# Altium PCB PCB1.PcbDoc (part 1 of 2)
Units mm, origin at the board's own origin, x right, y up, seen from the top; angles counter-clockwise.
Board outline 144.8 x 85 mm, 2 copper layers (Top Layer, Bottom Layer); 173 components, 129 nets, 564 pads, 369 vias.
Unrouted connection lines stored in the file: 2.
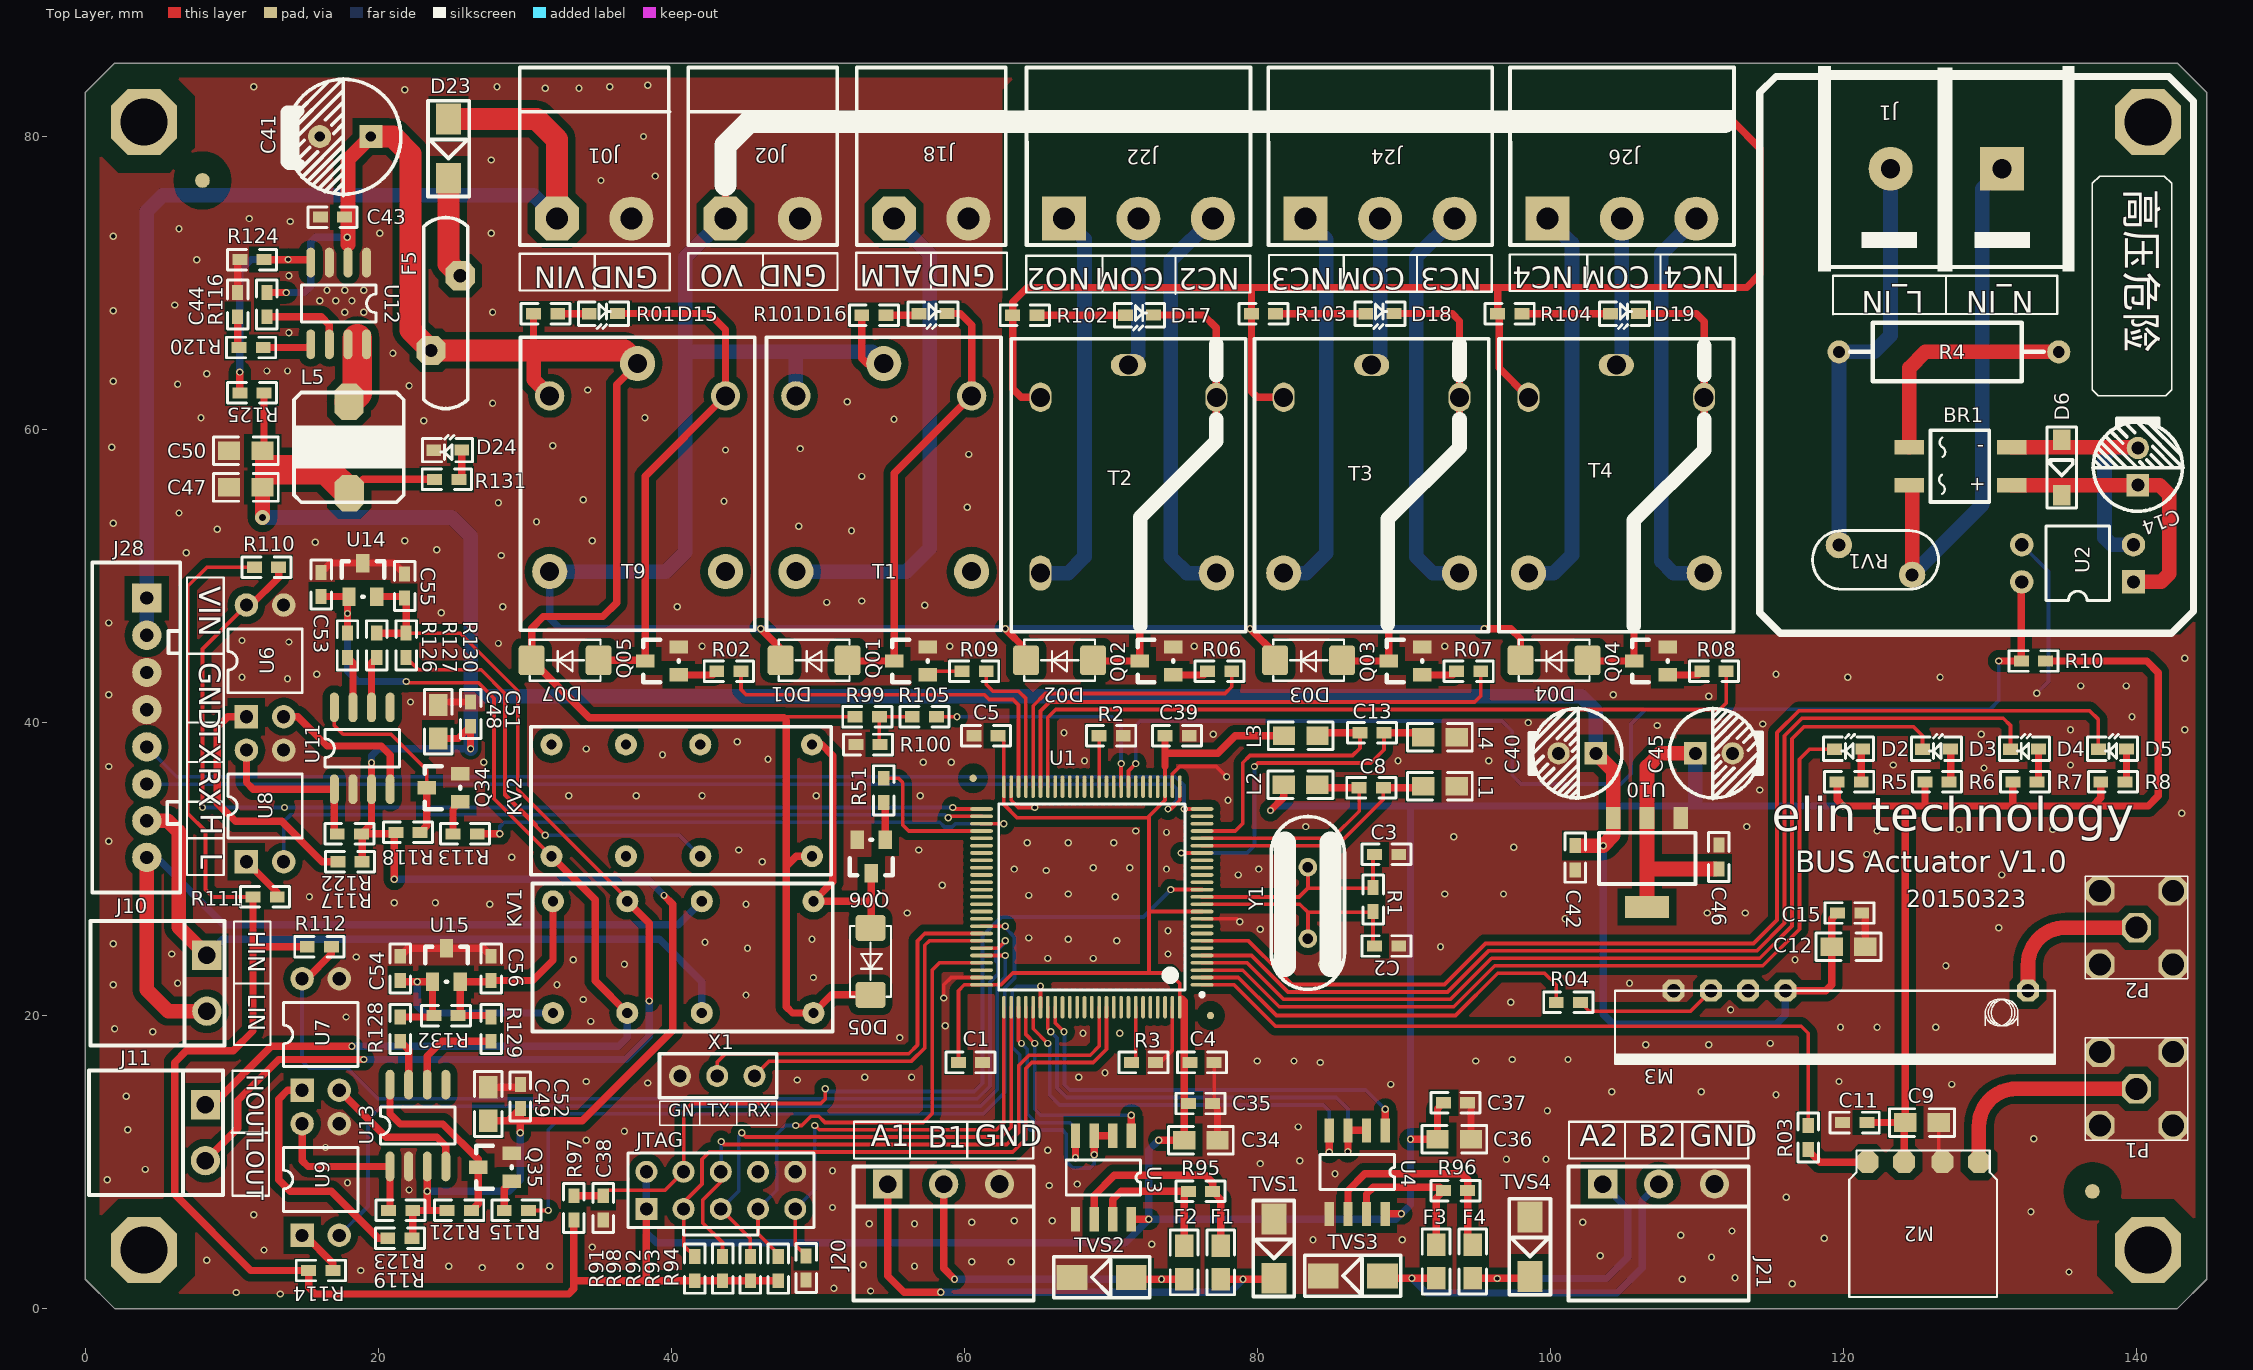
[diagram p0: Top Layer view]
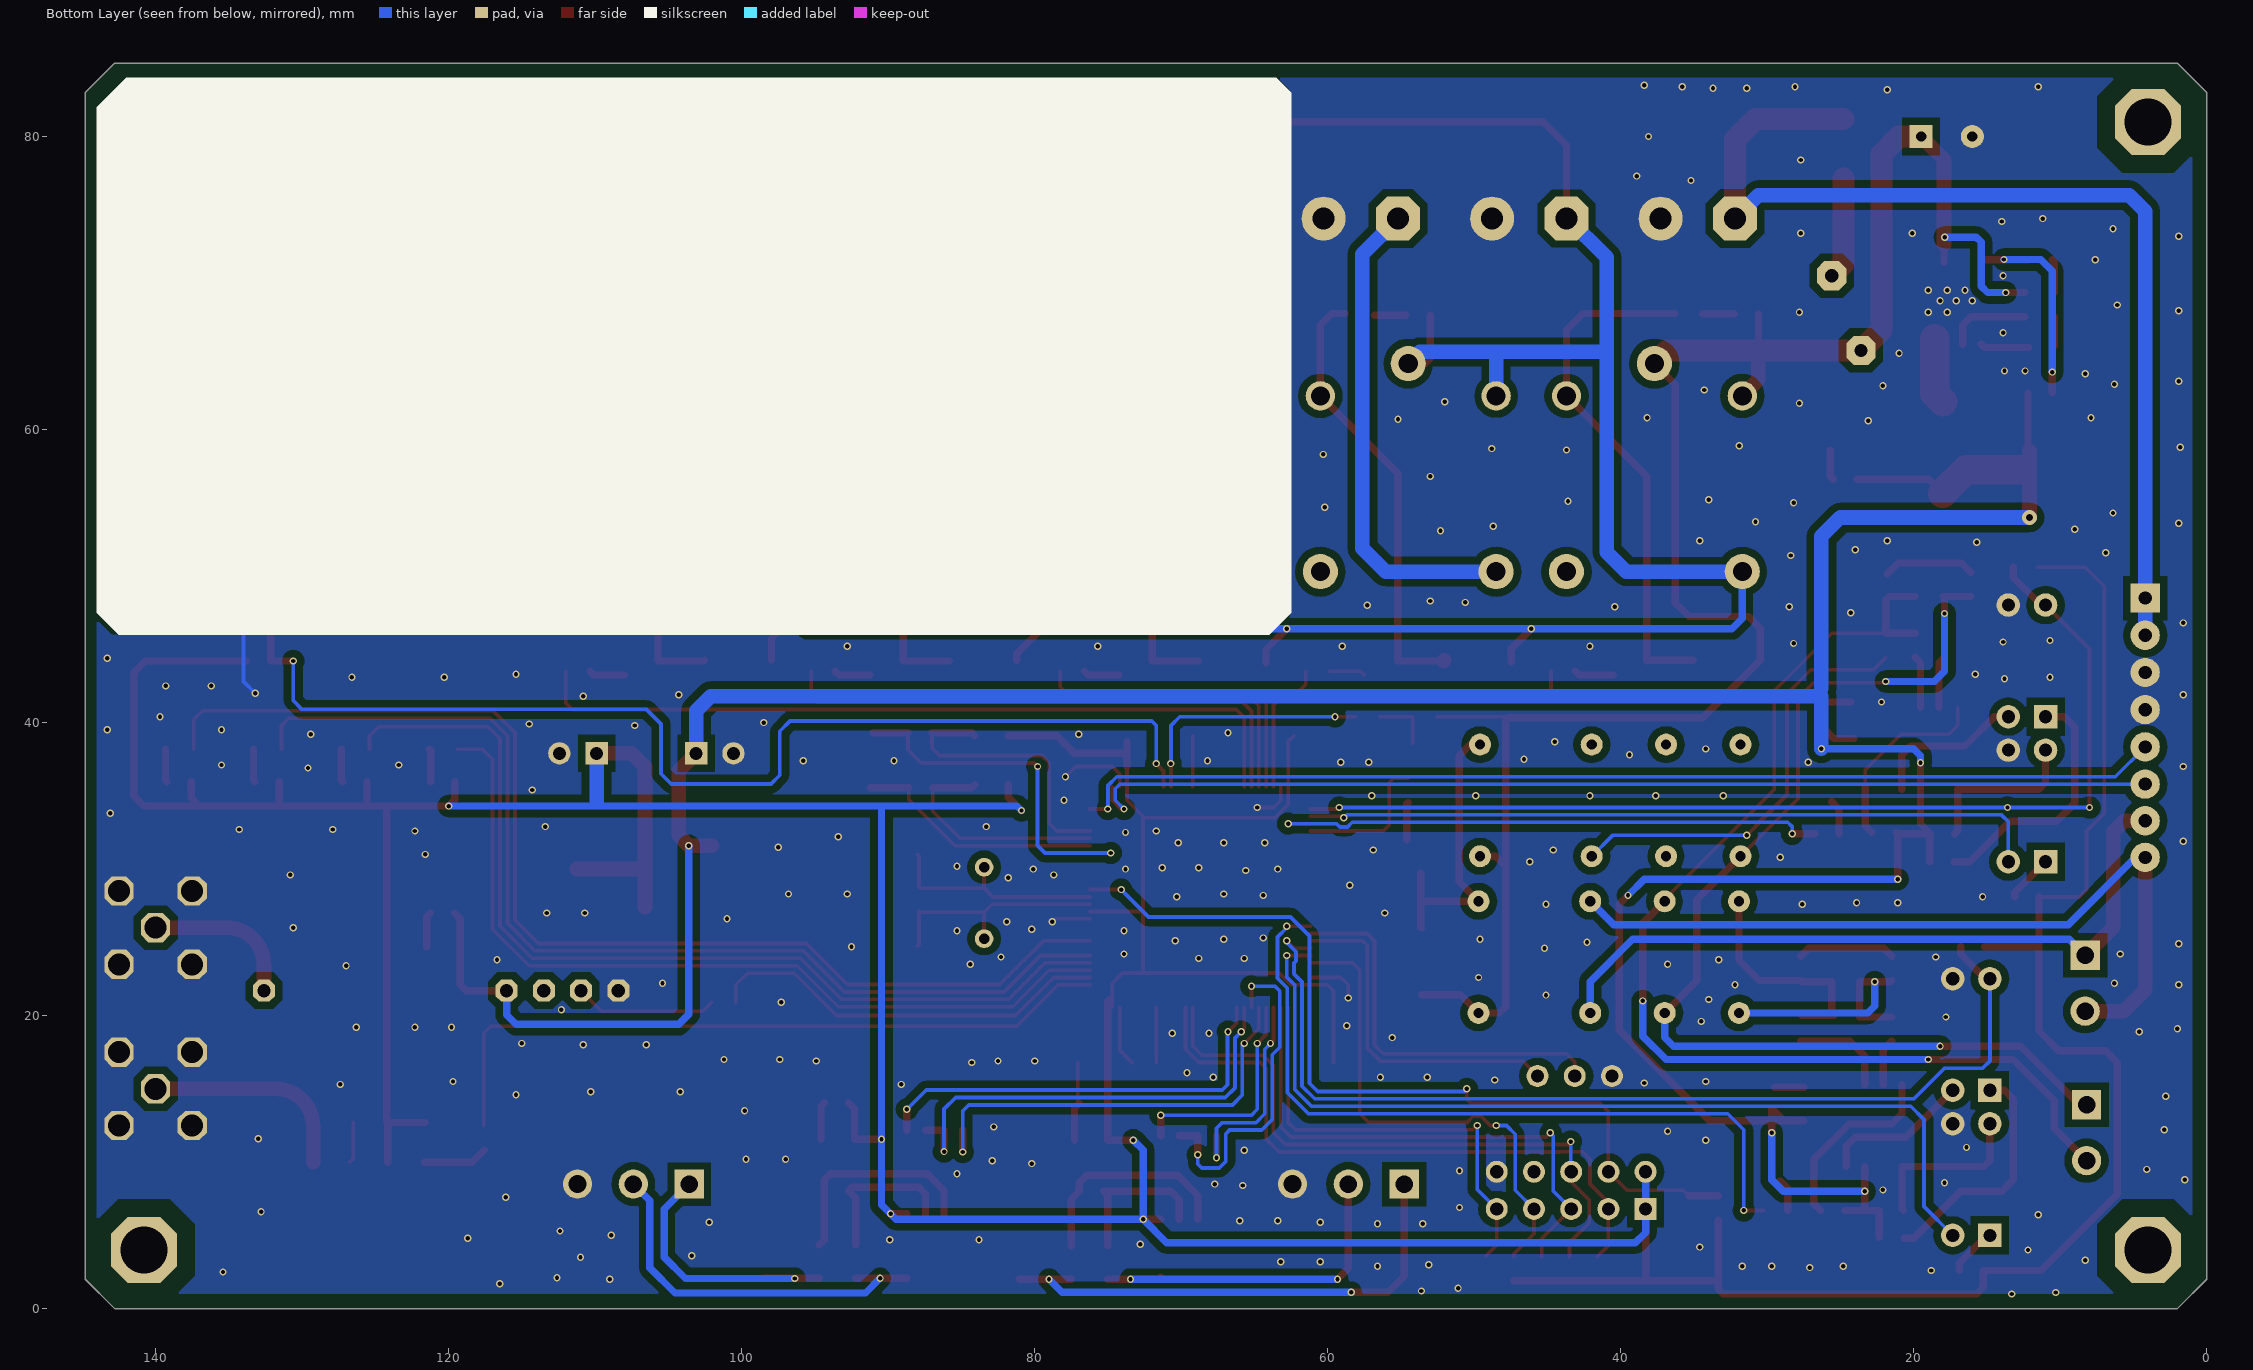
[diagram p1: Bottom Layer view, seen from below]

## Layer stack, top to bottom
Top Solder: solder mask 0.0102, Solder Resist, Dk 3.5
Top Layer: signal copper 0.0356
Dielectric 1: dielectric 0.32, FR-4, Dk 4.8
Bottom Layer: signal copper 0.0356
Bottom Solder: solder mask 0.0102, Solder Resist, Dk 3.5

## Board outline
2,0 0,2 0,83 2,85 142.8,85 144.8,83 144.8,2 142.8,0

## Design rules (kind name [scope] priority, off if disabled: settings)
Clearance [All] p1: gap=0.5
PolygonConnect [All] p1: connectstyle=Direct reliefconductorwidth=0.254 reliefentries=4 polygonreliefangle="90 Angle" airgapwidth=0.254
RoutingVias [All] p1: holewidth=0.711 width=1.27 viastyle="Through Hole" minholewidth=0.711 minwidth=1.27 maxholewidth=0.711 maxwidth=1.27
SolderMaskExpansion [All] p1: expansion=0.102
Width [All] p1: maxlimit=5 minlimit=0.254 preferedwidth=0.254
29 further rules are at their usual default settings.

## Classes and differential pairs
component class WIRELESS: C9 C11 C12 C15 M2 M3 P1 P2 R03 R04
component class POWER: BR1 C14 C40 C41 C42 C43 C44 C45 C46 C47 C50 D6 D23 D24 F5 J01 J1 J02 L5 R4 R10 R99 R100 R105 R116 R120 R124 R125 R131 RV1 U2 U10 U12
component class OUTPUT: D01 D02 D03 D04 D07 D15 D16 D17 D18 D19 J18 J22 J24 J26 Q01 Q02 Q03 Q04 Q05 R01 R02 R06 R07 R08 R09 R101 R102 R103 R104 T1 T2 T3 T4 T9
component class OTHER: C38 C39 D2 D3 D4 D5 JTAG R5 R6 R7 R8 R91 R92 R93 R94 R97 R98 X1
component class CPU: C1 C2 C3 C4 C5 C8 C13 L1 L2 L3 L4 R1 R2 R3 U1 Y1
component class 485: C34 C35 C36 C37 F1 F2 F3 F4 J20 J21 R95 R96 TVS1 TVS2 TVS3 TVS4 U3 U4
component class CAN: C48 C49 C51 C52 C53 C54 C55 C56 D05 J10 J11 J28 KV1 KV2 Q06 Q34 Q35 R51 R110 R111 R112 R113 R114 R115 R117 R118 R119 R121 R122 R123 R126 R127 R128 R129 R130 R132 U6 U7 U8 U9 U11 U13 U14 U15

## Components (designator, comment, footprint, x,y, rotation, side; value= is the part's Value field where it differs from the comment)
BR1 "BRIDGE1" soic-4 124.5,58.8 r0 top locked
C1 "104" 0603 59.6,16.8 r0 top
C2 "18p" 0603 88,24.75 r0 top
C3 "18p" 0603 88,31 r0 top
C4 "104" 0603 75.4,16.8 r0 top
C5 "104" 0603 62.3,39.1 r180 top
C8 "104" 0603 88.6,35.55 r180 top
C9 "10uF/16V" 0805 126.5,12.7 r180 top
C11 "0.1uF" 0603 121.6,12.7 r180 top
C12 "10uF/16V" 0805 119.2,24.7 r0 top
C13 "104" 0603 87,39.3 r0 top
C14 "100uF/25V" RB2.54 140.1,56.2 r90 top locked
C15 "0.1uF" 0603 119.6,27 r0 top
C34 "10uF" 0805 75,11.5 r0 top
C35 "0.1uF" 0603 75.3,14 r0 top
C36 "10uF" 0805 92.3,11.55 r0 top
C37 "0.1uF" 0603 92.7,14.05 r0 top
C38 "104" 0603 35.35,6.05 r90 top
C39 "104" 0603 73.7,39.1 r0 top
C40 "100uF/25V" RB2.54 103.1,37.9 r180 top
C41 "470uF/25V" RB3.5 16,80 r0 top
C42 "0.1uF" 0603 101.7,31.6 r270 top
C43 "0.1uF" 0603 17.7,74.5 r180 top
C44 "1nF" 0603 10.4,67.7 r90 top
C45 "100uF/6.3V" RB2.54 109.9,37.9 r0 top
C46 "0.1uF" 0603 111.5,30 r90 top
C47 "10uF/16V" 0805 12.1,56.05 r180 top
C48 "10uF" 0805 24.1,41.2 r270 top
C49 "10uF" 0805 27.5,15.1 r270 top
C50 "10uF/16V" 0805 12.1,58.55 r180 top
C51 "0.1uF" 0603 26.3,41.4 r270 top
C52 "0.1uF" 0603 29.7,15.3 r270 top
C53 "470pF" 0603 16.1,48.6 r90 top
C54 "470pF" 0603 21.5,22.4 r90 top
C55 "470pF" 0603 21.8,48.5 r90 top
C56 "470pF" 0603 27.7,22.4 r90 top
D01 "1N4007" DO-214AC(SMA) 49.75,44.25 r180 top
D02 "1N4007" DO-214AC(SMA) 66.5,44.25 r180 top
D2 "LED-R" LED-0603 121.32,38.2 r180 top
D03 "1N4007" DO-214AC(SMA) 83.5,44.25 r180 top
D3 "LED-R" LED-0603 127.32,38.2 r180 top
D04 "1N4007" DO-214AC(SMA) 100.25,44.25 r180 top
D4 "LED-R" LED-0603 133.32,38.2 r180 top
D05 "1N4007" DO-214AC(SMA) 53.6,23.7 r270 top
D5 "LED-R" LED-0603 139.32,38.2 r180 top
D6 "12V" SOD-123A 134.9,59.3 r270 top locked
D07 "1N4007" DO-214AC(SMA) 32.75,44.25 r180 top
D15 "LED-R" LED-0603 34.4,67.9 r0 top
D16 "LED-R" LED-0603 56.9,67.9 r0 top
D17 "LED-R" LED-0603 71,67.8 r0 top
D18 "LED-R" LED-0603 87.4,67.9 r0 top
D19 "LED-R" LED-0603 104.1,67.9 r0 top
D23 "SS34" SMB 24.8,81.2 r270 top
D24 "LED-R" LED-0603 25.7,58.6 r180 top
F1 "FUSE2" 0805 77.5,4.3 r270 top
F2 "FUSE2" 0805 75,4.3 r270 top
F3 "FUSE2" 0805 92.2,4.35 r270 top
F4 "FUSE2" 0805 94.7,4.35 r270 top
F5 "FUSE2" "FUSE RL60-110" 25.6,70.5 r90 top
J1 "7.62-2P" 7.62-2P 130.84,77.8 r180 top locked
J01 "7.62-2P" 5.08-2P 32.2,74.4 r180 top locked
J02 "7.62-2P" 5.08-2P 43.7,74.4 r180 top locked
J10 "3.81-2P" 3.81-2P 8.3,20.3 r270 top
J11 "3.81-2P" 3.81-2P 8.2,10.1 r270 top
J18 "7.62-2P" 5.08-2P 55.2,74.4 r180 top locked
J20 "2EDGR-3.81-3P" 3.81-3P 62.4,8.5 r0 top
J21 "2EDGR-3.81-3P" 3.81-3P 111.2,8.5 r0 top
J22 "2EDGR-5.08-3P" 5.08-3P 66.8,74.4 r180 top locked
J24 "2EDGR-5.08-3P" 5.08-3P 83.3,74.4 r180 top locked
J26 "2EDGR-5.08-3P" 5.08-3P 99.8,74.4 r180 top locked
J28 "SIP8-2.54" 2.54-8 4.2,48.5 r270 top
JTAG "JTAG_10" JTAG_10 38.3,6.8 r0 top
KV1 "OMRON" KV 49.5,28 r180 top
KV2 "OMRON" KV 49.4,38.7 r180 top
L1 "100R" 0805 93.6,35.65 r180 top
L2 "100R" 0805 81.8,35.75 r0 top
L3 "100R" 0805 84.1,39.1 r180 top
L4 "100R" 0805 93.6,39 r180 top
L5 "4.7uH" "INDUCTOR 7*7" 18,61.9 r90 top
M2 "H34A" H34A 129.25,10 r180 top
M3 "315MHZ" 315MHZ 134.4,21.7 r180 top
P1 "COAX-M" ST-TH1 136.5,11.5 r0 top
P2 "COAX-M" ST-TH1 136.5,22.5 r0 top
Q01 "8050" SOT-23 57.5,43.25 r90 top
Q02 "8050" SOT-23 74.25,43.25 r90 top
Q03 "8050" SOT-23 91.25,43.25 r90 top
Q04 "8050" SOT-23 108,43.25 r90 top
Q05 "8050" SOT-23 40.5,43.25 r90 top
Q06 "8050" SOT-23 54.6,32 r180 top
Q34 "3904" SOT-23 25.6,34.6 r90 top
Q35 "3904" SOT-23 29.1,8.7 r90 top
R01 "10K" 0603 30.6,67.9 r0 top
R1 "1M" 0603 87.9,27.1 r90 top
R02 "1K" 0603 44.75,43.5 r180 top
R2 "10K" 0603 69.2,39.1 r0 top
R03 "1K" 0603 117.6,12.5 r270 top
R3 "10K" 0603 71.4,16.8 r0 top
R04 "1K" 0603 100.4,20.9 r0 top
R4 "100K" AXIAL0.6 134.7,65.3 r180 top
R5 "1K" 0603 119.57,35.95 r0 top
R06 "1K" 0603 78.25,43.5 r180 top
R6 "1K" 0603 125.57,35.95 r0 top
R07 "1K" 0603 95.25,43.5 r180 top
R7 "1K" 0603 131.57,35.95 r0 top
R8 "1K" 0603 137.57,35.95 r0 top
R08 "1K" 0603 112,43.5 r180 top
R09 "1K" 0603 61.5,43.5 r180 top
R10 "1K" 0603 133.8,44.2 r180 top
R51 "1K" 0603 54.5,36.2 r270 top
R91 "10K" 0603 41.6,1.9 r90 top
R92 "10K" 0603 45.4,1.9 r90 top
R93 "10K" 0603 47.3,1.9 r90 top
R94 "10K" 0603 49.2,3.6 r270 top
R95 "120R" 0603 75.3,8 r0 top
R96 "120R" 0603 92.7,8.05 r0 top
R97 "10K" 0603 33.35,7.7 r270 top
R98 "10K" 0603 43.5,1.9 r90 top
R99 "47K" 0603 54.2,40.4 r180 top
R100 "10K" 0603 52.6,38.5 r0 top
R101 "10K" 0603 53,67.8 r0 top
R102 "10K" 0603 63.3,67.8 r0 top
R103 "10K" 0603 79.6,67.9 r0 top
R104 "10K" 0603 96.4,67.9 r0 top
R105 "10K" 0603 58.1,40.4 r180 top
R110 "1K" 0603 13.2,50.6 r180 top
R111 "201" 0603 13.1,28.1 r180 top
R112 "1K" 0603 16.8,24.7 r180 top
R113 "1K" 0603 25.1,32.4 r0 top
R114 "201" 0603 16.9,2.6 r180 top
R115 "1K" 0603 28.6,6.7 r0 top
R116 "10K" 0603 12.4,69.35 r270 top
R117 "201" 0603 18.9,30.5 r180 top
R118 "1K" 0603 21.2,32.5 r0 top
R119 "201" 0603 22.3,4.8 r180 top
R120 "20K" 0603 12.15,65.6 r180 top
R121 "1K" 0603 24.7,6.7 r0 top
R122 "1K" 0603 17.2,32.4 r0 top
R123 "1K" 0603 20.7,6.7 r0 top
R124 "10K" 0603 12.2,71.6 r180 top
R125 "56K" 0603 12.2,62.5 r180 top
R126 "10" 0603 17.9,46.1 r270 top
R127 "10" 0603 19.9,46.1 r270 top
R128 "10" 0603 21.5,19.9 r270 top
R129 "10" 0603 27.7,19.9 r270 top
R130 "120" 0603 21.9,46.1 r270 top
R131 "1K" 0603 25.5,56.6 r180 top
R132 "120" 0603 23.8,20 r0 top
RV1 "7D471K" 7D471 124.693,50.082 r180 top
T1 "JDQ" JDQ#1 54.5,64.5 r0 top locked
T2 "JDQ" JDQ#2 71.2,64.4 r0 top locked
T3 "JDQ" JDQ#3 87.8,64.4 r0 top locked
T4 "JDQ" JDQ#3 104.5,64.4 r0 top locked
T9 "JDQ" JDQ#1 37.7,64.5 r0 top locked
TVS1 "TVS" SMB 81.128,6.121 r270 top
TVS2 "TVS" SMB 71.399,2.134 r180 top
TVS3 "TVS" SMB 88.544,2.235 r180 top
TVS4 "TVS" SMB 98.603,6.248 r270 top
U1 "STM32F107VBT6" LQFP100_L 68.7,28.1 r180 top
U2 "PC817" DIP4 139.8,49.6 r180 top locked
U3 "SP3485" SOP-8 71.4,11.8 r270 top
U4 "SP3485" SOP-8 88.722,12.167 r270 top
U6 "TLP521-1" DIP4 11,40.4 r90 top
U7 "TLP521-1" DIP4 14.8,14.9 r90 top
U8 "TLP521-1" DIP4 11,30.5 r90 top
U9 "TLP521-1" DIP4 14.8,5 r90 top
U10 "LM1117" SOT-223 108.9,33.5 r180 top
U11 "TAJ1050" SO-8 17,35.45 r90 top
U12 "AOZ1016" SO-8 19.2,71.4 r270 top
U13 "TAJ1050" SO-8 20.8,9.7 r90 top
U14 "TVS_CAN" SOT-23 18,48.6 r0 top
U15 "TVS_CAN" SOT-23 23.7,22.3 r0 top
X1 "2.54-TX" 2.54-TX 47.2,17.4 r180 top
Y1 "8MHz" XTAL_US 83.45,25.25 r90 top

## Footprints (in the part's own frame and the unit in brackets; to place one, negate y for a bottom-side part, rotate by r counter-clockwise, add the part's x,y. Pads: shape width x height; smd on the part's side, far side on the other; paste and mask are expansions set on the pad)
2.54-8 [mm]
  rect 2x2 hole 0.9: 1(0,0)
  round 2 hole 0.9: 2(2.54,0) 3(5.08,0) 4(7.62,0) 5(10.16,0) 6(12.7,0) 7(15.2,0) 8(17.7,0)
  silkscreen extent -2.43,-3.71 20.1,2.29
2.54-TX [mm]
  round 1.5 hole 0.9: 1(6.604,1.524) 2(4.064,1.524) 3(1.524,1.524)
  silkscreen extent 0,0 8,3
3.81-2P [mm]
  rect 2x2 hole 1.2: 1(-3.81,0)
  round 2 hole 1.2: 2(0,0)
  silkscreen extent -6.15,-7.95 2.34,1.2
3.81-3P [mm]
  rect 2x2 hole 1.2: 1(-7.62,0)
  round 2 hole 1.2: 2(-3.81,0)
  round 2 hole 1.21: 3(0,0)
  silkscreen extent -9.96,-7.95 2.34,1.2
5.08-2P [mm]
  oct 3x3 hole 1.5: 1(0,0)
  round 3 hole 1.5: 2(-5.08,0)
  silkscreen extent -7.7,-10.31 2.55,1.8
5.08-3P [mm]
  rect 3x3 hole 1.5: 1(0,0)
  round 3 hole 1.5: 2(-5.08,0) 3(-10.16,0)
  silkscreen extent -12.74,-10.31 2.55,1.8
7.62-2P [mm]
  rect 3x3 hole 1.3: 1(0,0)
  round 3 hole 1.3: 2(7.62,0)
  silkscreen extent -4.94,-7 12.56,7
7D471 [mm]
  round 1.8 hole 0.9: 1(0,0) 2(5,-2.032)
  silkscreen extent -1.8,-3.02 6.8,0.98
315MHZ [mm]
  oct 1.5x1.5 hole 0.9: 1(1.8,0) 2(18.36,0) 3(20.9,0) 4(23.44,0) 5(25.98,0)
  silkscreen extent -0.02,0 30.06,5
0603 [mil]
  rect 40x30 smd: 1(0,0) 2(65,0)
  silkscreen extent -33,-28 98,28
0805 [mil]
  rect 60x50 smd: 1(0,0) 2(90,0)
  silkscreen extent -42,-37 132,37
AXIAL0.6 [mil]
  round 62 hole 32: 1(0,0) 2(590.55,0)
  silkscreen extent 40,-79 560,79
DIP4 [mm]
  rect 1.6x1.6 hole 0.9: 1(0,0)
  round 1.6 hole 0.9: 2(0,-2.54) 3(7.62,-2.54) 4(7.62,0)
  silkscreen extent 1.64,-3.81 5.99,1.27
DO-214AC(SMA) [mil]
  rrect25% 70x80 smd: 1(-90,0) 2(90,0)
  silkscreen extent -95,-55 95,55, body extent -108,-55 108,55, height 91
"FUSE RL60-110" [mm]
  oct 2x2 hole 0.9: 1(0,0) 2(-5.1,2)
  silkscreen extent -9.07,-0.5 3.97,2.5
H34A [mm]
  oct 1.5x1.5 smd: 1(0,0) 2(2.5,0) 3(5.1,0) 4(7.6,0)
  silkscreen extent -1.24,-0.8 8.85,9.2
"INDUCTOR 7*7" [mm]
  oct 2.5x2 smd: 1(0,0) 2(-6.239,-0.026)
  silkscreen extent -6.86,-3.74 0.64,3.76
JDQ#1 [mm]
  round 2.4 hole 1.3: 1(0,0) 2(-6,-14.2) 3(6,-14.2)
  round 2 hole 1.3: 4(-6,-2.2) 5(6,-2.2)
  silkscreen extent -8,-18.2 8,1.8
JDQ#2 [mm]
  oval 2.4x1.5 hole 1.3: 1(0,0)
  oval 1.5x2.4 hole 1.3: 2(-6,-14.2)
  round 2.4 hole 1.3: 3(6,-14.2)
  oval 1.5x2 hole 1.3: 4(-6,-2.2) 5(6,-2.2)
  silkscreen extent -8,-18.2 8,1.8
JDQ#3 [mm]
  oval 2.4x1.5 hole 1.3: 1(0,0)
  round 2.4 hole 1.3: 2(-6,-14.2) 3(6,-14.2)
  oval 1.5x2 hole 1.3: 4(-6,-2.2) 5(6,-2.2)
  silkscreen extent -8,-18.2 8,1.8
JTAG_10 [mm]
  rect 1.5x1.5 hole 0.9: 1(0,0)
  round 1.5 hole 0.9: 2(0,2.54) 3(2.54,0) 4(2.54,2.54) 5(5.08,0) 6(5.08,2.54) 7(7.62,0) 8(7.62,2.54) 9(10.16,0) 10(10.16,2.54)
  silkscreen extent -1.27,-1.78 11.43,3.81
KV [mm]
  round 1.5 hole 0.7: 1(-0.2,0.2) 4(7.42,0.2) 6(12.5,0.2) 8(17.58,0.2) 9(17.58,7.82) 11(12.5,7.82) 13(7.42,7.82) 16(-0.2,7.82)
  silkscreen extent -1.52,-1.02 18.98,9.08
LED-0603 [mil]
  rect 40x30 smd: 1(0,0) 2(75.4,0.63)
  silkscreen extent -29,-39 105,31
LQFP100_L [mm] "Thin QFP, 100-Leads, Body 14x14mm, Pitch 0.5mm, IPC High Density"
  oval 1.55x0.25 smd: 1(-7.525,6) 2(-7.525,5.5) 3(-7.525,5) 4(-7.525,4.5) 5(-7.525,4) 6(-7.525,3.5) 7(-7.525,3) 8(-7.525,2.5) 9(-7.525,2) 10(-7.525,1.5) 11(-7.525,1) 12(-7.525,0.5) 13(-7.525,0) 14(-7.525,-0.5) 15(-7.525,-1) 16(-7.525,-1.5) 17(-7.525,-2) 18(-7.525,-2.5) 19(-7.525,-3) 20(-7.525,-3.5) 21(-7.525,-4) 22(-7.525,-4.5) 23(-7.525,-5) 24(-7.525,-5.5) 25(-7.525,-6) 51(7.525,-6) 52(7.525,-5.5) 53(7.525,-5) 54(7.525,-4.5) 55(7.525,-4) 56(7.525,-3.5) 57(7.525,-3) 58(7.525,-2.5) 59(7.525,-2) 60(7.525,-1.5) 61(7.525,-1) 62(7.525,-0.5) 63(7.525,0) 64(7.525,0.5) 65(7.525,1) 66(7.525,1.5) 67(7.525,2) 68(7.525,2.5) 69(7.525,3) 70(7.525,3.5) 71(7.525,4) 72(7.525,4.5) 73(7.525,5) 74(7.525,5.5) 75(7.525,6)
  oval 0.25x1.55 smd: 26(-6,-7.525) 27(-5.5,-7.525) 28(-5,-7.525) 29(-4.5,-7.525) 30(-4,-7.525) 31(-3.5,-7.525) 32(-3,-7.525) 33(-2.5,-7.525) 34(-2,-7.525) 35(-1.5,-7.525) 36(-1,-7.525) 37(-0.5,-7.525) 38(0,-7.525) 39(0.5,-7.525) 40(1,-7.525) 41(1.5,-7.525) 42(2,-7.525) 43(2.5,-7.525) 44(3,-7.525) 45(3.5,-7.525) 46(4,-7.525) 47(4.5,-7.525) 48(5,-7.525) 49(5.5,-7.525) 50(6,-7.525) 76(6,7.525) 77(5.5,7.525) 78(5,7.525) 79(4.5,7.525) 80(4,7.525) 81(3.5,7.525) 82(3,7.525) 83(2.5,7.525) 84(2,7.525) 85(1.5,7.525) 86(1,7.525) 87(0.5,7.525) 88(0,7.525) 89(-0.5,7.525) 90(-1,7.525) 91(-1.5,7.525) 92(-2,7.525) 93(-2.5,7.525) 94(-3,7.525) 95(-3.5,7.525) 96(-4,7.525) 97(-4.5,7.525) 98(-5,7.525) 99(-5.5,7.525) 100(-6,7.525)
  silkscreen extent -7.65,-6.35 6.35,6.8, body extent -7,-7 7,7, height 1.6
RB2.54 [mil]
  rect 60x60 hole 35: 1(0,0)
  round 60 hole 35: 2(100,0)
  silkscreen extent -70,-121 179,120
RB3.5 [mil]
  rect 62x62 hole 28: 1(137.79,0)
  round 62 hole 28: 2(0,0)
  silkscreen extent -92,-158 218,155
SMB [mm]
  rect 2.1x1.7 smd: 1(0,0) 2(4.05,0)
  silkscreen extent -1.25,-1.4 5.3,1.4
SO-8 [mil]
  oval 80x24 smd: 1(0,0) 2(0,-50) 3(0,-100) 4(0,-150) 5(220,-150) 6(220,-100) 7(220,-50) 8(220,0)
  silkscreen extent 60,-175 160,25
SOD-123A [mm]
  rect 1.418x1.22 smd: 1(0,0) 2(3.778,0)
  silkscreen extent -0.87,-1 4.65,1
soic-4 [mm]
  rect 2x1 smd: 1(0,0) 2(0,-2.6) 3(7,-2.6) 4(7,0)
  silkscreen extent 1.45,-3.75 5.45,1.15
SOP-8 [mil]
  rect 65x25 smd: 1(0,0) 2(0,-50) 3(0,-100) 4(0,-150) 5(224.41,-150) 6(224.41,-100) 7(224.41,-50) 8(224.41,0)
  silkscreen extent 65,-175 159,25
SOT-23 [mil]
  rect 36x50 smd: 1(0,0) 2(75,0) 3(37.5,90)
  silkscreen extent -20,0 95,95
SOT-223 [mm]
  rect 1x1.5 smd: 1(0,0) 2(2.3,0) 3(4.6,0)
  rect 3x1.5 smd: 4(2.3,6.096)
  silkscreen extent -1,1.02 5.59,4.52
ST-TH1 [mm]
  oct 2x2 hole 1.5: 1(3.5,3.5) 2(1,6) 3(6,6) 4(6,1) 5(1,1)
  silkscreen extent 0,0 7,7
XTAL_US [mil]
  round 50 hole 28: 1(0,0) 2(192.13,0)
  silkscreen extent -136,-98 328,98

## Part data
C1 C4 C5 C8 C9 C11 C12 C13 C14 C15 C34 C35 C36 C37 C40 C41 C42 C43 C44 C46 C47 C48 C49 C50 C51 C52: library part CAP
C2 C3 C38 C39 C53 C54 C55 C56: library part CAP, "陶瓷电容"
C45: library part CAP, "钽电容"
D01 D02 D03 D04 D05 D07: "1A整流二极管"
D2 D3 D4 D5 D15: library part LED-RED, "红色LED"
D6: library part "Zener Diode"
D16 D17 D18 D19 D24: library part LED-RED, "绿色LED"
D23: library part DIODE
F1 F2 F3 F4: "SMD0805P010TS"
F5: "RL60-110"
J1 J01 J02 J10 J11 J18: library part SIP2A-2.50（带槽）
J20 J21 J22 J24 J26: library part SIP3A-2.50（带槽）
KV1 KV2: "omron G5V-2 12VDC"
L1 L2 L3 L4 L5: library part INDUCTOR
P1 P2: "SMA-J-P-H-ST-TH1"
Q01 Q02 Q03 Q04 Q05 Q06 Q34 Q35: library part NPN1
R01 R99 R100 R101 R102 R103 R104 R105: library part Res
R1 R03 R04 R91 R92 R93 R94 R95 R96 R97 R98 R110 R111 R112 R113 R114 R115 R117 R118 R119 R121 R122 R123 R126 R127 R128 R129 R130 R131 R132: library part RES-1%, "高精度电阻"
R02 R2 R3 R4 R5 R06 R6 R07 R7 R8 R08 R09 R10 R51 R116 R120 R124 R125: library part RES1
RV1: library part RV
TVS1 TVS2 TVS3 TVS4: "SMBJ12CA"
U2 U6 U7 U8 U9: library part TLP521, "光耦"
U3 U4: library part MAX3485
U14 U15: "NUP2105L"
Y1: library part XTAL, "Crystal Oscillator"

## Free pads (board coordinates)
  round 1 smd mask+1: 0(8,77) 0(137,8)
  round 0.5 smd mask+0.5: 0(76.8,20) 1(60.6,36.2)
  oct 4.5x4.5 hole 3.2: ""(4,4) ""(4,81) ""(140.8,4) ""(140.8,81)

## Via types
v1: diameter 0.5, hole 0.3, Top Layer to Bottom Layer, tented both sides, 368 vias
v2: diameter 1, hole 0.5, Top Layer to Bottom Layer, tented both sides, 1 vias

## Nets (pads, with @x,y where several pads share a name; then routed paths per layer and width w, separated by ;. In a path a pad name is that pad's centre, name@x,y a point inside that pad or via, vN(x,y) a via of type N, cw(c..) or ccw(c..) an arc to the next point about the centre after c; other vN are vias at no path point)
485_A4: F1.2 J20.1 TVS1.2 | length 34.9
  Top Layer w0.5: J20.1@54.78,8.5 54.78,2.22 55.882,1.118 v1(58.395,1.118) ; F1.2@77.5,2.014 TVS1.2@81.07,2.014
  Bottom Layer w0.5: v1(58.395,1.118) 78.13,1.118 v1(79.019,2.007)
485_A5: F4.2 J21.1 TVS4.2 | length 19
  Top Layer w0.5: F4.2@94.7,2.064 TVS4.2@98.468,2.064
  Bottom Layer w0.5: v1(96.368,2.057) 103.835,2.057 105.283,3.505 105.283,6.797 J21.1@103.58,8.5
485_B4: F2.2 J20.2 TVS2.1 | length 25.3
  Top Layer w0.5: J20.2@58.59,8.5 58.59,2.751 v1(59.327,2.014) ; TVS2.1@71.399,2.134 71.519,2.014 v1(73.457,2.014) F2.2@75,2.014
  Bottom Layer w0.5: J20.2@58.59,7.765 J20.2@58.59,8.5 ; v1(59.327,2.014) v1(73.457,2.014)
485_B5: F3.2 J21.2 TVS3.1 | length 26.5
  Top Layer w0.5: TVS3.1@88.716,2.064 v1(90.551,2.064) F3.2@92.2,2.064
  Bottom Layer w0.5: v1(90.551,2.064) 91.548,1.067 104.546,1.067 106.274,2.794 106.274,7.384 J21.2@107.39,8.5
AC_TEST: R10.2 U1.33 U2.4 | length 81
  Top Layer w0.254: U1.33@71.2,35.625 71.2,36.7 v1(71.7,37.2)
  Top Layer w0.5: v1(130.6,44.2) R10.2@132.149,44.2 132.149,49.569 U2.4@132.18,49.6
  Bottom Layer w0.254: v1(71.7,37.2) 71.7,39.8 72,40.1 96.7,40.1 97.4,39.4 97.4,36.4 98,35.8 104.8,35.8 105.5,36.5 105.5,39.9 106.5,40.9 130,40.9 130.6,41.5 v1(130.6,44.2)
AD_IN2: R105.1 U1.34 | length 17
  Top Layer w0.254: R105.1@58.1,40.4 v1(59.5,40.4) ; U1.34@70.7,35.625 v1(70.7,37.2)
  Bottom Layer w0.254: v1(59.5,40.4) 70.1,40.4 70.7,39.8 v1(70.7,37.2)
ALARM: J18.1 T1.2 | length 33.3
  Bottom Layer w1: T1.2@48.5,50.3 56.04,50.3 57.633,51.892 57.633,71.967 J18.1@55.2,74.4
BOOT0: R3.1 U1.94 | length 3.8
  Top Layer w0.254: R3.1@71.7,16.8 U1.94@71.7,20.575
BOOT1: R2.1 U1.37 | length 3.5
  Top Layer w0.254: U1.37@69.2,35.625 R2.1@69.2,39.1
"CAN2 R1": KV2.13 R130.2 | length 28.8
  Top Layer w0.254: R130.2@21.9,44.449 22.749,43.6 27.026,43.6 28.654,41.972 28.654,35.112 30.766,33
  Bottom Layer w0.254: 31.4,32.3 40.56,32.3 KV2.13@41.98,30.88
CANH: J10.1 J28.7 KV1.13 | length 49.3
  Top Layer w1: J28.7@4.2,33.3 5.638,33.3 6.375,32.563 6.375,26.035 J10.1@8.3,24.11
  Bottom Layer w0.5: J10.1@8.3,24.11 9.39,25.2 39.2,25.2 42.08,22.32 KV1.13@42.08,20.18
CANH1: C54.1 KV1.9 R128.1 R132.1 U15.1 | length 18
  Top Layer w0.5: R128.1@21.5,19.9 23.7,19.9 U15.1@23.7,22.3 21.6,22.3 C54.1@21.5,22.4
  Bottom Layer w0.5: v1(22.657,22.301) 22.657,20.65 23.127,20.18 KV1.9@31.92,20.18
CANH2: C53.1 J11.1 KV1.11 KV2.9 R126.1 U14.1 | length 76.9
  Top Layer w0.254: v1(21.9,42.8) 21.977,42.723 26.837,42.723 27.9,41.66 27.9,34.8 KV2.9@31.82,30.88
  Top Layer w0.5: J11.1@8.2,13.91 8.71,13.91 12.7,17.9 v1(18.2,17.9) ; C53.1@16.1,48.6 U14.1@18,48.6 ; R126.1@17.9,46.1 v1(17.9,47.447) U14.1@17.9,48.5 ; KV2.9@31.82,30.88 34.8,27.9 34.8,22.38 KV1.11@37,20.18
  Bottom Layer w0.5: v1(17.9,47.447) 17.9,43.5 18.6,42.8 v1(21.9,42.8) ; v1(18.2,17.9) 36.4,17.9 37,18.5 KV1.11@37,20.18 ; KV2.9@31.82,30.88 KV2.9@31.82,31.147
CANL: J10.2 J28.8 KV1.4 | length 54.2
  Top Layer w1: J28.8@4.2,30.8 4.2,21.759 5.659,20.3 J10.2@8.3,20.3
  Bottom Layer w0.5: J28.8@4.2,30.8 4.862,30.8 9.462,26.2 40.48,26.2 KV1.4@42.08,27.8
CANL1: C56.1 KV1.8 R129.1 R132.2 U15.2 | length 15.6
  Top Layer w0.5: R129.1@27.7,20.1 27.6,20 R132.2@25.451,20 25.605,20.154 U15.2@25.605,22.3 27.6,22.3 C56.1@27.7,22.4 30.553,22.4 31.92,23.767 KV1.8@31.92,27.8
CANL2: C55.1 J11.2 KV1.6 R127.1 R130.1 U14.2 | length 77.6
  Top Layer w0.256: R130.1@21.9,46.1 25.594,46.1 29.517,42.177 29.517,35.425 37,27.942 KV1.6@37,27.8
  Top Layer w0.5: J11.2@8.2,10.1 10.4,12.3 10.4,14.2 13.2,17 v1(19,17) ; R127.1@19.9,46.1 R130.1@21.9,46.1 C55.1@21.9,48.4 ; U14.2@19.905,48.6 C55.1@21.7,48.6 ; KV1.6@37,27.8 38.5,26.3 v1(38.5,21)
  Bottom Layer w0.5: v1(19,17) 36.9,17 38.5,18.6 v1(38.5,21)
COM2: J22.2 T2.1 | length 10.3
  Bottom Layer w1: T2.1@71.2,64.4 71.88,65.08 J22.2@71.88,74.4
COM3: J24.2 T3.1 | length 10.2
  Bottom Layer w1: T3.1@87.8,64.4 88.38,64.98 J24.2@88.38,74.4
COM4: J26.2 T4.1 | length 9.6
  Bottom Layer w1: T4.1@104.88,64.78 J26.2@104.88,74.4
CPU_JDQ1: R09.1 U1.47 | length 10
  Top Layer w0.254: R09.1@61.5,43.5 61.5,42.596 61.957,42.139 63.703,42.139 64.2,41.642 U1.47@64.2,35.625
CPU_JDQ2: R06.1 U1.46 | length 20.7
  Top Layer w0.254: U1.46@64.7,35.625 64.7,41.154 65.532,41.986 77.793,41.986 78.25,42.443 R06.1@78.25,43.5
CPU_JDQ3: R07.1 U1.45 | length 37.3
  Top Layer w0.254: U1.45@65.2,35.625 65.2,40.791 65.811,41.402 94.844,41.402 95.25,41.808 R07.1@95.25,43.5
CPU_JDQ4: R08.1 U1.44 | length 53.6
  Top Layer w0.254: U1.44@65.7,35.625 65.7,40.351 66.243,40.894 111.557,40.894 112,41.337 R08.1@112,43.5
CPU_JDQ5: R51.1 U1.54 | length 9.9
  Top Layer w0.254: R51.1@54.5,36.2 55.5,36.2 55.8,35.9 55.8,33 56.2,32.6 U1.54@61.175,32.6
GND: C1.2 C2.2 C3.2 C4.2 C5.2 C9.1 C11.2 C12.2 C15.2 C34.2 C35.2 C36.2 C37.2 C38.1 C39.2 C40.2 C41.2 C42.2 C43.2 C44.2 C45.2 C46.2 C47.2 C48.1 C49.1 C50.2 C51.1 C52.1 C53.2 C54.2 C55.2 C56.2 D24.2 J01.2 J02.2 J18.2 J20.3 J21.3 J28.3 J28.4 JTAG.10 L1.1 L4.1 M2.2 M3.5 P1.2 P1.3 P1.4 P1.5 P2.2 P2.3 P2.4 P2.5 Q01.2 Q02.2 Q03.2 Q04.2 Q05.2 Q06.2 Q34.2 Q35.2 R2.2 R3.2 R94.2 R100.1 R124.2 TVS1.1 TVS2.2 TVS3.2 TVS4.1 U1.10 U1.27 U1.49 U1.74 U1.99 U2.3 U3.5 U4.5 U6.3 U7.3 U8.3 U9.3 U10.1 U11.2 U12.1 U12.3 U13.2 U14.3 U15.3 X1.1 | length 61.9
  Top Layer w0.254: v1(58.6,21.2) 58.6,22.1 59.1,22.6 U1.74@61.175,22.6 ; U1.49@63.2,35.625 63.2,34.7 63.7,34.2 v1(64.8,34.2) ; R3.2@73.351,16.8 74.2,17.649 U1.99@74.2,20.575 ; U1.27@74.2,35.625 74.2,36.5 74.7,37 77.2,37 v1(77.9,36.3) ; U1.10@76.225,26.6 78.6,26.6 v1(78.8,26.4) ; C35.2@77.051,14.1 C4.2@77.051,16.8 ; C9.1@126.5,12.7 126.5,10.25 M2.2@126.75,10
  Top Layer w0.5: C44.2@10.4,69.351 10.4,71.451 R124.2@10.549,71.6 ; C53.2@16.1,50.251 16.735,50.886 U14.3@18.953,50.886 21.065,50.886 C55.2@21.8,50.151 ; C54.2@21.5,24.051 22.035,24.586 U15.3@24.653,24.586 27.165,24.586 C56.2@27.7,24.051 ; C48.1@24.3,41.4 C51.1@26.3,41.4 ; C49.1@27.5,15.1 C52.1@29.5,15.1 ; C35.2@76.951,14 77.286,13.665 C34.2@77.286,11.5 ; C37.2@94.351,14.05 94.586,13.815 C36.2@94.586,11.55 ; C15.2@121.251,27 121.486,26.765 C12.2@121.486,24.7
  Bottom Layer w0.254: U2.3@132.18,52.14 134,50.32 134,42.8 v1(133.2,42)
  other v1: 13.3,1 10.3,1.1 53.6,1.2 51.1,1.4 116.5,1.7 109,2 112.6,2.1 135.4,2.5 18.8,2.6 27.1,2.8 24.8,2.9 29.7,2.9 31.7,2.9 56.6,2.9 53.1,3 60.5,3.2 63.2,3.2 8.3,3.3 111,3.5 103.4,3.6 12.2,4 34.6,4.2 72.8,4.4 83.8,4.7 89.9,4.7 118.7,4.8 108.9,5 112.4,5.3 53.5,5.8 56.6,5.8 60.5,5.9 102.2,5.9 63.4,6 66,6 11.5,6.4 132.8,6.6 51,6.9 116.1,7.6 22.1,8.1 65.8,8.4 67.7,8.5 17.9,8.6 1.5,8.8 85.3,9.2 51,9.4 4.1,9.5 80.2,9.9 82.9,10.1 97,10.2 99.7,10.2 65.7,10.8 16.4,11 34.2,11.5 133,11.6 36.8,12.1 2.9,12.2 82.8,12.4 99.8,13.5 2.8,14.5 115.4,14.6 104.2,14.8 110.3,14.8 89.1,15.3 127.4,15.3 38.4,15.4 34.2,15.5 119.7,15.5 48.6,15.6 53.2,15.8 56.4,15.8 67.8,15.8 69.6,16.1 84.3,16.8 80,16.9 82.5,16.9 94.9,16.9 97.4,17 101.2,17 106.5,18 110.8,18 115,18.1 55.6,18.5 68.1,18.8 70.6,18.8 4.6,18.9 2,19.1 119.8,19.2 122.3,19.2 126.3,19.2 58.7,19.3 34.5,19.6 17.8,19.9 112.3,20.4 97.3,20.9 34,21.1 45.1,21.4 1.9,22.1 32.2,22.1 6.3,22.2 105.4,22.2 49.7,22.6 127,23.4 36.8,23.5 84.4,23.5 33.3,23.8 116.7,23.8 65.7,23.9 68.8,23.9 18.5,24 82.3,24 5.9,24.2 73.9,24.2 45.2,24.6 92.5,24.7 1.9,24.9 42.3,25 70.4,25.1 49.6,25.2 67.1,25.2 64.4,25.3 73.9,25.8 85.3,25.8 80.2,25.9 130.6,26 81.9,26.4 101,26.6 56.1,27 110.7,27 113.3,27 27.6,27.6 45.1,27.6 21.1,27.7 23.9,27.7 15.3,28.1 70.3,28.1 64.4,28.2 67.1,28.3 92.8,28.3 96.8,28.3 58.5,28.9 81.8,29.4 78.7,29.6 130.8,29.6 65.6,29.9 63.4,30 73.8,30 80.1,30 68.8,30.1 71.3,30.1 85.3,30.2 46.2,30.5 29.1,30.8 121.6,31 44.6,31.3 56.9,31.3 97.5,31.5 64.3,31.8 67.1,31.8 70.2,31.8 1.6,31.9 93.4,32.2 73.8,32.5 71.7,32.6 122.3,32.6 127.9,32.7 134.3,32.7 83.3,32.9 113.4,32.9 143.1,33.8 78,34.7 33,35 37.6,35 42.1,35 49.9,35 57,35 114.3,35.4 129.6,36.9 1.6,37 123.4,37.1 135.5,37.1 27.2,37.3 57.2,37.3 59.1,37.3 68.2,37.4 89.6,37.4 95.8,37.4 46.6,37.5 39.4,37.8 34.2,38.2 44.5,38.7 77,39.2 129.4,39.2 66.8,39.3 135.5,39.5 143.3,39.5 107.3,39.8 114.5,39.9 98.5,40 139.7,40.4 22.2,41.4 110.8,41.8 1.6,41.9 104.3,41.9 136.2,42.5 139.3,42.5 13.8,43 10.7,43.1 120.3,43.1 126.6,43.1 15.8,43.3 115.4,43.3 143.3,44.4 42.1,45.2 59,45.2 75.7,45.2 92.8,45.2 28.2,45.4 13.9,45.5 10.7,45.6 1.6,46.8 24.3,47.5 28.5,47.9 40.4,47.9 57.3,48 50.6,48.2 53,48.3 28.4,51.4 6.9,51.6 24,51.8 15.7,52.3 21.8,52.4 34.6,52.4 52.3,53.1 9,53.2 48.7,53.4 1.9,53.6 30.8,53.7 6.4,54.3 60.2,54.7 28.2,55 43.6,55.1 34,55.2 53,56.8 60.3,58.3 43.7,58.6 48.8,58.7 1.8,58.8 31.9,58.9 23.1,60.6 55.2,60.7 7.9,60.8 38.2,60.8 27.8,61.8 52,61.9 34.3,62.7 22.1,63 6.3,63.1 1.9,63.3 8.3,63.8 12.4,64 13.8,64 21,65.2 13.9,66.6 17.7,68 19,68 27.8,68 1.9,68.1 6.1,68.5 16,68.8 17.1,68.8 18.2,68.8 16.5,69.5 17.7,69.5 19,69.5 13.9,70.5 7.6,71.6 1.9,73.2 20.1,73.4 27.7,73.4 6.4,73.7 14,74.2 11.2,74.4 35.2,77 38.9,77.3 27.7,78.4 38.1,80 21.8,83.2 31.4,83.3 33.7,83.3 11.5,83.4 28.1,83.4 35.8,83.4 38.4,83.5
HGND: BR1.4 C14.2 D6.1 U2.2 | length 18.9
  Top Layer w1: BR1.4@131.5,58.8 140.04,58.8 C14.2@140.1,58.74
  Bottom Layer w1: U2.2@139.8,52.14 138.307,52.14 137.825,52.622 137.825,58.261 138.304,58.74 C14.2@140.1,58.74
JTCK: JTAG.9 R94.1 U1.76 | length 30.9
  Top Layer w0.254: JTAG.9@48.46,6.8 48.46,4.34 R94.1@49.2,3.6 ; v1(49.8,12.5) 50.1,12.2 62.2,12.2 62.7,12.7 62.7,14.9 U1.76@62.7,20.575
  Bottom Layer w0.254: JTAG.9@48.46,6.8 49.8,8.14 v1(49.8,12.5)
JTDI: JTAG.5 R92.2 U1.77 | length 36.9
  Top Layer w0.254: JTAG.5@43.38,6.8 45.39,4.79 45.39,3.561 R92.2@45.4,3.551 ; v1(44.8,12) 45.084,11.716 45.402,11.716 45.41,11.708 62.508,11.708 63.2,12.4 U1.77@63.2,20.575
  Bottom Layer w0.254: JTAG.5@43.38,6.8 44.6,8.02 44.6,11.8 v1(44.8,12)
JTDO: JTAG.6 R98.2 U1.89 | length 42.9
  Top Layer w0.254: JTAG.6@43.38,9.34 43.38,8.641 42.139,7.4 42.139,5.867 43.5,4.506 R98.2@43.5,3.551 ; v1(43.4,11.4) 43.592,11.208 45.192,11.208 45.2,11.2 62.892,11.2 63.692,12 ; 63.708,12 63.708,16.6 64.408,17.3 68.6,17.3 69.2,17.9 U1.89@69.2,20.575
  Bottom Layer w0.254: JTAG.6@43.38,9.34 43.4,9.36 v1(43.4,11.4)
JTMS: JTAG.7 R93.2 U1.72 | length 34.4
  Top Layer w0.254: JTAG.7@45.92,6.8 45.92,5.109 47.3,3.729 R93.2@47.3,3.551 ; v1(48.5,12.5) 48.908,12.5 49.539,13.131 50.061,13.131 50.484,12.708 57.2,12.708 57.808,13.316 57.808,23.108 58.3,23.6 U1.72@61.175,23.6
  Bottom Layer w0.254: JTAG.7@45.92,6.8 47.2,8.08 47.2,11.9 47.8,12.5 v1(48.5,12.5)
JTRST: JTAG.3 R91.2 U1.90 | length 43.9
  Top Layer w0.254: R91.2@41.6,3.551 40.84,4.311 JTAG.3@40.84,6.8 40.84,7.24 42.1,8.5 42.1,10.2 42.6,10.7 44.182,10.7 44.19,10.692 63.31,10.692 64.2,11.582 64.2,16.4 64.6,16.8 68.8,16.8 69.7,17.7 U1.90@69.7,20.575
L_IN: J1.2 R4.2 RV1.2 | length 28.6
  Bottom Layer w1: RV1.2@119.693,52.114 119.7,52.121 R4.2@119.7,65.3 122.1,65.3 123.22,66.42 J1.2@123.22,77.8
LED1: D2.2 U1.3 | length 58.3
  Top Layer w0.254: U1.3@76.225,23.1 79,23.1 81.5,20.6 93.4,20.6 96.2,23.4 114.5,23.4 117,25.9 117,37.5 117.684,38.184 D2.2@119.405,38.184
LED2: D3.2 U1.4 | length 66.6
  Top Layer w0.254: U1.4@76.225,23.6 79.3,23.6 81.792,21.108 93.19,21.108 95.99,23.908 114.29,23.908 116.492,26.11 116.492,38.892 117.318,39.718 124.786,39.718 125.405,39.1 D3.2@125.405,38.184
LED3: D4.2 U1.5 | length 73.3
  Top Layer w0.254: U1.5@76.225,24.1 79.6,24.1 82.084,21.616 92.979,21.616 95.779,24.416 114.079,24.416 115.984,26.321 115.984,39.102 117.182,40.3 130.905,40.3 131.405,39.8 D4.2@131.405,38.184
LED4: D5.2 U1.7 | length 79.9
  Top Layer w0.254: U1.7@76.225,25.1 79.4,25.1 81.6,22.9 82.376,22.124 92.769,22.124 95.569,24.924 113.869,24.924 115.476,26.531 115.476,39.313 116.971,40.808 136.797,40.808 137.405,40.2 D5.2@137.405,38.184
N_IN: BR1.2 J1.1 RV1.1 | length 36.2
  Top Layer w1: RV1.1@124.693,50.082 BR1.2@124.693,56.007
  Bottom Layer w1: RV1.1@124.693,50.082 129.468,54.858 129.468,76.428 J1.1@130.84,77.8
NC2: J22.3 T2.3 | length 27.8
  Bottom Layer w1: J22.3@76.96,74.4 74.1,71.54 74.1,51.3 75.2,50.2 T2.3@77.2,50.2
NC3: J24.3 T3.3 | length 27.6
  Bottom Layer w1: J24.3@93.46,74.4 90.856,71.796 90.856,51.308 91.964,50.2 T3.3@93.8,50.2
NC4: J26.3 T4.3 | length 27.6
  Bottom Layer w1: J26.3@109.96,74.4 107.569,72.009 107.569,51.029 108.398,50.2 T4.3@110.5,50.2
NetBR1_1: BR1.1 R4.1 | length 16.1
  Top Layer w1: BR1.1@124.5,58.8 124.5,64.2 125.6,65.3 R4.1@134.7,65.3
NetBR1_3: BR1.3 C14.1 D6.2 U2.1 | length 19.1
  Top Layer w1: BR1.3@131.5,56.2 140.1,56.2 141.588,56.2 142.244,55.543 142.244,50.159 141.686,49.6 U2.1@139.8,49.6